# KiCad board PCB_E.kicad_pcb

Outline 47 x 47 mm; copper layers: Top, Bottom. Coordinates in mm from the lower left corner of the outline.
Outline path: circle c23.5,23.5 r23.5

## Placement (name value [footprint] x y rotation side)
J1  Conn_02x02_Counter_Clockwise  [PinSocket_2x02_P2.54mm_Vertical]  16.2 39.9 90 top
J2  Conn_02x02_Counter_Clockwise  [PinSocket_2x02_P2.54mm_Vertical]  28.36 39.94 90 top
J3  Conn_02x02_Counter_Clockwise  [PinSocket_2x02_P2.54mm_Vertical]  22.3 39.9 90 top
J4  Conn_02x10_Odd_Even  [PinSocket_2x10_P2.54mm_Vertical]  15.97 30.87 0 top
J5  Conn_02x10_Odd_Even  [PinSocket_2x10_P2.54mm_Vertical]  21.14 30.9 0 top
J6  Conn_02x10_Odd_Even  [PinSocket_2x10_P2.54mm_Vertical]  26.32 30.9 0 top
J7  Conn_02x10_Odd_Even  [PinSocket_2x10_P2.54mm_Vertical]  31.5 30.9 0 top
J8  Conn_01x06  [PinHeader_1x06_P2.54mm_Vertical]  38 29.87 0 top
J12  -  [Conector_Expansion_CanSat]  23.5 23.52 0 top
J14  Conn_01x06  [PinHeader_1x06_P2.54mm_Vertical]  35.2 28.6 0 top
J15  Conn_01x06  [PinHeader_1x06_P2.54mm_Vertical]  10 29.85 0 top
LOGO  -  [Logo_AXTEC]  20.05 44.53 0 top
LOGO#2  -  [Logo_AXTEC]  27.92 44.53 180 bottom
M1  Spacer  [Empty_Footprint]  18.75 48.25 0 top
M2  Spacer  [Empty_Footprint]  19.25 48.25 0 top
M3  Spacer  [Empty_Footprint]  19.75 48.25 0 top
MH1  -  [MH_CanSat]  23.5 23.5 0 top
REF**  -  [OSHW-Symbol_6.7x6mm_SilkScreen]  8.21 11.66 0 top
REF**#2  -  [OSHW-Symbol_6.7x6mm_SilkScreen]  8.21 11.66 180 bottom

## Footprints (pads in the part's own frame, mm; a bottom-side part is the same pattern mirrored in y, then rotated)
Conector_Expansion_CanSat
  round 1.7 hole 0.8: 1(20.8,6.35) 2(20.8,3.81) 3(20.8,1.27) 4(20.8,-1.27) 5(20.8,-3.81) 6(20.8,-6.35) 7(18.1,5.08) 8(18.1,2.54) 9(18.1,0) 10(18.1,-2.54) 11(18.1,-5.08) 12(18.1,-7.62) 13(-18.1,5.08) 14(-18.1,2.54) 15(-18.1,0) 16(-18.1,-2.54) 17(-18.1,-5.08) 18(-18.1,-7.62) 19(-20.8,6.35) 20(-20.8,3.81) 21(-20.8,1.27) 22(-20.8,-1.27) 23(-20.8,-3.81) 24(-20.8,-6.35)
MH_CanSat
  round 6.3 hole 3.2: 1(-12.5,13.5)
  round 6.2 hole 3.2: 2(12.5,13.5) 3(0,-20.2)
PinHeader_1x06_P2.54mm_Vertical
  rect 1.7x1.7 hole 1: 1(0,0)
  oval 1.7x1.7 hole 1: 2(0,-2.54) 3(0,-5.08) 4(0,-7.62) 5(0,-10.16) 6(0,-12.7)
PinSocket_2x02_P2.54mm_Vertical
  rect 1.7x1.7 hole 1: 1(0,0)
  oval 1.7x1.7 hole 1: 2(-2.54,0) 3(0,-2.54) 4(-2.54,-2.54)
PinSocket_2x10_P2.54mm_Vertical
  round 1.7 hole 1: 1(0,0)
  oval 1.7x1.7 hole 1: 2(-2.54,0) 3(0,-2.54) 4(-2.54,-2.54) 5(0,-5.08) 6(-2.54,-5.08) 7(0,-7.62) 8(-2.54,-7.62) 9(0,-10.16) 10(-2.54,-10.16) 11(0,-12.7) 12(-2.54,-12.7) 13(0,-15.24) 14(-2.54,-15.24) 15(0,-17.78) 16(-2.54,-17.78) 17(0,-20.32) 18(-2.54,-20.32) 19(0,-22.86) 20(-2.54,-22.86)

## Nets
+3V3: J3.3 J3.4 J12.14
+5V: J2.3 J2.4 J12.15
/Vbus: J12.7 J14.1
GND: J1.1 J1.2 J2.1 J2.2 J3.1 J3.2 J12.16 J12.17 J12.18 MH1.1 MH1.2 MH1.3
+BATT: J1.3 J1.4 J12.13
/AD0: J12.9 J14.3
/AD1: J12.10 J14.4
/AD2: J12.11 J14.5
/AD3: J12.12 J14.6
/IO0: J8.1 J12.1
/IO1: J8.2 J12.2
/IO2: J8.3 J12.3
/IO3: J8.4 J12.4
/IO4: J8.5 J12.5
/IO5: J8.6 J12.6
/IO6: J12.8 J14.2
/MISO: J12.20 J15.2
/MOSI: J12.19 J15.1
/SCK: J12.21 J15.3
/SCL: J12.23 J15.5
/SDA: J12.24 J15.6
/SS: J12.22 J15.4
Net-(J4-Pad1): J4.1
Net-(J4-Pad2): J4.2
Net-(J4-Pad3): J4.3
Net-(J4-Pad4): J4.4
Net-(J4-Pad5): J4.5
Net-(J4-Pad6): J4.6
Net-(J4-Pad7): J4.7
Net-(J4-Pad8): J4.8
Net-(J4-Pad9): J4.9
Net-(J4-Pad10): J4.10
Net-(J4-Pad11): J4.11
Net-(J4-Pad12): J4.12
Net-(J4-Pad13): J4.13
Net-(J4-Pad14): J4.14
Net-(J4-Pad15): J4.15
Net-(J4-Pad16): J4.16
Net-(J4-Pad17): J4.17
Net-(J4-Pad18): J4.18
Net-(J4-Pad19): J4.19
Net-(J4-Pad20): J4.20
Net-(J5-Pad1): J5.1
Net-(J5-Pad2): J5.2
Net-(J5-Pad3): J5.3
Net-(J5-Pad4): J5.4
Net-(J5-Pad5): J5.5
Net-(J5-Pad6): J5.6
Net-(J5-Pad7): J5.7
Net-(J5-Pad8): J5.8
Net-(J5-Pad9): J5.9
Net-(J5-Pad10): J5.10
Net-(J5-Pad11): J5.11
Net-(J5-Pad12): J5.12
Net-(J5-Pad13): J5.13
Net-(J5-Pad14): J5.14
Net-(J5-Pad15): J5.15
Net-(J5-Pad16): J5.16
Net-(J5-Pad17): J5.17
Net-(J5-Pad18): J5.18
Net-(J5-Pad19): J5.19
Net-(J5-Pad20): J5.20
Net-(J6-Pad1): J6.1
Net-(J6-Pad2): J6.2
Net-(J6-Pad3): J6.3
Net-(J6-Pad4): J6.4
Net-(J6-Pad5): J6.5
Net-(J6-Pad6): J6.6
Net-(J6-Pad7): J6.7
Net-(J6-Pad8): J6.8
Net-(J6-Pad9): J6.9
Net-(J6-Pad10): J6.10
Net-(J6-Pad11): J6.11
Net-(J6-Pad12): J6.12
Net-(J6-Pad13): J6.13
Net-(J6-Pad14): J6.14
Net-(J6-Pad15): J6.15
Net-(J6-Pad16): J6.16
Net-(J6-Pad17): J6.17
Net-(J6-Pad18): J6.18
Net-(J6-Pad19): J6.19
Net-(J6-Pad20): J6.20
Net-(J7-Pad1): J7.1
Net-(J7-Pad2): J7.2
Net-(J7-Pad3): J7.3
Net-(J7-Pad4): J7.4
Net-(J7-Pad5): J7.5
Net-(J7-Pad6): J7.6
Net-(J7-Pad7): J7.7
Net-(J7-Pad8): J7.8
Net-(J7-Pad9): J7.9
Net-(J7-Pad10): J7.10
Net-(J7-Pad11): J7.11
Net-(J7-Pad12): J7.12
Net-(J7-Pad13): J7.13
Net-(J7-Pad14): J7.14
Net-(J7-Pad15): J7.15
Net-(J7-Pad16): J7.16
Net-(J7-Pad17): J7.17
Net-(J7-Pad18): J7.18
Net-(J7-Pad19): J7.19
Net-(J7-Pad20): J7.20

## Via types
v1: diameter 0.8, hole 0.4, Top to Bottom, 2 vias

## Routing (per net, layer and track width the routed paths; a pad name or vN(x,y) marks a point on that pad's centre or on a via; arc(x,y) is an arc through that point)
+3V3: length 29.7
  Top w0.6: 5.4,26.04 6.04,26.04 7,27 7,30.75 9,32.75 11.75,32.75 12.5,33.5 14.5,33.5 15.7,34.7 23.54,34.7 24.84,36 J3.3
+5V: length 37.4
  Top w0.6: 5.4,23.5 8,26.1 8,30.5 9.25,31.75 v1(10.5,31.75) ; J2.3 30.9,35.65 28.75,33.5 v1(17,33.5)
  Bottom w0.6: v1(10.5,31.75) 12.25,33.5 v1(17,33.5)
/Vbus: length 6
  Bottom w0.4: J12.7 35.6,28.6
GND: length 125.6
  Top w0.4: 11.49,36.51 MH1.1
  Top w0.8: 28.4,42.35 28.36,42.31 J2.2 ; 28.4,42.35 23.1,42.35 22.3,41.55 J3.1 22.3,36.5 21.4,35.6 16.76,35.6 16.2,36.16 J1.2 15.84,37 MH1.1 ; 28.4,42.35 35.03,42.35 36,41.38 MH1.2 36,32.62 33.35,29.97 33.35,6.55 30.1,3.3 MH1.3 15.5,3.3 ; 5.4,20.96 5.4,11.35 13.45,3.3 15.5,3.3 ; 15.5,3.3 14.05,3.3
  Bottom w0.8: J1.1 J1.2 ; J3.1 J3.2 ; J2.1 J2.2
+BATT: length 28.5
  Top w0.6: J1.4 18.74,41.26 17.75,42.25 10.34,42.25 9.42,41.59 9.28,41.47 8.25,40.44 8.25,40.42 5.4,37.57 5.4,28.58
/AD0: length 6
  Bottom w0.4: J12.9 35.6,23.52
/AD1: length 6
  Bottom w0.4: 35.6,20.98 J12.10
/AD2: length 6
  Bottom w0.4: J12.11 35.6,18.44
/AD3: length 6.4
  Bottom w0.4: J14.6 J12.12
/IO0: length 5.8
  Bottom w0.4: 38.5,29.85 38.52,29.87 J12.1
/IO1: length 5.8
  Bottom w0.4: J12.2 38.52,27.33 38.5,27.31
/IO2: length 5.8
  Bottom w0.4: J12.3 38.52,24.79 38.5,24.77
/IO3: length 5.8
  Bottom w0.4: J12.4 38.52,22.25 38.5,22.23
/IO4: length 5.8
  Bottom w0.4: 38.5,19.69 44.28,19.69 J12.5
/IO5: length 5.8
  Bottom w0.4: 38.5,17.15 44.28,17.15 J12.6
/IO6: length 6
  Bottom w0.4: J12.8 35.6,26.06
/MISO: length 14.4
  Top w0.4: 2.7,27.31 2.7,28
  Bottom w0.4: J15.2 2.7,27.31 9.1,27.31
/MOSI: length 13.7
  Bottom w0.4: 9.1,29.85 2.7,29.85 J15.1
/SCK: length 14.4
  Top w0.4: 2.7,24.77 2.7,25.46
  Bottom w0.4: 9.1,24.77 2.7,24.77 J15.3
/SCL: length 13.7
  Bottom w0.4: J15.5 2.7,19.69 9.1,19.69
/SDA: length 13.7
  Bottom w0.4: J15.6 2.7,17.15 9.1,17.15
/SS: length 13.7
  Bottom w0.4: 9.1,22.23 2.7,22.23 J15.4

## Copper pours and planes (outline as drawn; the poured copper is in the pictures)
GND on Top: -1.5,48.5 48.5,48.5 48.5,-1.5 -1.5,-1.5
GND on Bottom: -1.5,48.5 48.5,48.5 48.5,-1.5 -1.5,-1.5

## Text on the board
B.SilkS: GND | +VBATT | +3V3 | +5V | MOSI | MISO | SCK | SS | SCL | SDA | VBUS | A0 | A1 | A2 | A3 | D6 | D0 | D1 | D2 | D3 | D4 | D5 | CanSat Platform | PCB_E v1.0
F.SilkS: GND | +VBATT | +3V3 | +5V | MOSI | MISO | SCK | SS | SCL | SDA | VBUS | A0 | A1 | A2 | A3 | D6 | D0 | D1 | D2 | D3 | D4 | D5 | CanSat Platform | PCB_E v1.0
